# Allegro board SG2042_EVB_V2_0.brd (continued)
## Routing (per net, layer and track width the routed paths; a pad name or vN(x,y) marks a point on that pad's centre or on a via; arc(x,y) is an arc through that point) (continued)
DDR2_DQ16: length 79.2
  TOP w0.173: U1.AL8 v1(95.75,218.05)
  ART07 w0.135: J3.27 53.08,262.28 arc(53.62,262.38) 54.08,262.69 54.15,262.76 arc(54.55,263.03) 55.02,263.12 55.05,263.12 arc(55.52,263.03) 55.93,262.76 56,262.69 arc(56.46,262.38) 57,262.28 57.75,262.28 arc(58.32,262.39) 58.8,262.71 58.82,262.73 arc(59.3,263.05) 59.87,263.16 60.51,263.16 arc(61.08,263.05) 61.56,262.73 61.65,262.64 arc(62.05,262.37) 62.52,262.28 62.55,262.28 arc(63.02,262.37) 63.42,262.64 63.48,262.7 arc(63.92,262.99) 64.42,263.09 64.45,263.09 arc(64.96,262.99) 65.39,262.7 65.5,262.59 arc(65.84,262.36) 66.26,262.28 68.54,262.28 85.55,245.26 85.55,227 88.43,224.12 89.57,224.12 90,224.55 94.96,224.55 95.25,224.26 95.25,218.55 v1(95.75,218.05)
DDR2_DQ17: length 73.9
  TOP w0.173: U1.AL6 v1(93.75,218.05)
  ART07 w0.135: J3.172 60.57,261.43 arc(61.12,261.32) 61.58,261.01 61.65,260.94 arc(62.05,260.67) 62.52,260.58 62.55,260.58 arc(63.02,260.67) 63.42,260.94 63.55,261.06 arc(63.95,261.33) 64.42,261.42 64.45,261.42 arc(64.92,261.33) 65.32,261.06 65.43,260.95 arc(65.85,260.67) 66.34,260.58 69.35,260.58 69.98,259.94 69.98,259.75 69.46,259.23 69.46,259.04 69.76,258.74 69.95,258.74 70.47,259.27 70.66,259.27 70.95,258.97 70.95,258.78 70.43,258.26 70.43,258.07 70.73,257.77 70.92,257.77 71.44,258.3 71.63,258.3 84.92,245 84.92,226.74 88.11,223.55 93.95,223.55 94.25,223.25 U1.AL6 v1(93.75,218.05)
DDR2_DQ18: length 73.3
  TOP w0.173: U1.AK5 v1(92.75,219.05)
  ART05 w0.135: v1(92.75,219.05) 92.22,219.58 87.22,219.58 83.22,223.57 82.21,224.59 82.21,243.66 72.75,253.12 72.56,253.12 72.23,252.78 72.03,252.78 71.74,253.08 71.74,253.27 72.08,253.6 72.08,253.79 71.78,254.09 71.59,254.09 71.25,253.75 71.06,253.75 70.77,254.05 70.77,254.24 71.11,254.57 71.11,254.76 70.81,255.06 70.62,255.06 70.28,254.72 70.09,254.72 69.8,255.02 69.8,255.21 70.14,255.54 70.14,255.73 69.84,256.03 69.65,256.03 69.31,255.69 69.12,255.69 68.83,255.99 68.83,256.18 69.17,256.51 69.17,256.7 68.7,257.18 66.32,257.18 arc(65.85,257.27) 65.45,257.53 65.32,257.66 arc(64.92,257.93) 64.45,258.02 64.42,258.02 arc(63.95,257.93) 63.55,257.66 63.42,257.54 arc(63.02,257.27) 62.55,257.18 62.52,257.18 arc(62.05,257.27) 61.65,257.54 61.58,257.61 arc(61.12,257.92) 60.57,258.02 59.8,258.02 arc(59.26,257.92) 58.8,257.61 58.78,257.59 arc(58.32,257.28) 57.77,257.18 57,257.18 arc(56.46,257.07) 56,256.76 55.98,256.74 arc(55.52,256.43) 54.98,256.33 J3.34
DDR2_DQ19: length 72.8
  TOP w0.173: U1.AL5 v1(92.75,218.05)
  ART05 w0.135: v1(92.75,218.05) 92.26,218.54 87.37,218.54 81.58,224.33 81.58,243.4 77.92,247.06 77.73,247.06 77.34,246.67 77.15,246.67 76.86,246.97 76.86,247.16 77.24,247.55 77.24,247.74 76.95,248.03 76.76,248.03 76.37,247.64 76.18,247.64 75.89,247.94 75.89,248.13 76.27,248.52 76.27,248.71 75.98,249 75.79,249 75.4,248.61 75.21,248.61 74.92,248.91 74.92,249.1 75.3,249.49 75.3,249.68 75.01,249.97 74.82,249.97 74.43,249.58 74.24,249.58 73.94,249.88 73.94,250.07 74.33,250.46 74.33,250.65 74.04,250.94 73.85,250.94 73.46,250.56 73.27,250.56 72.97,250.85 72.97,251.04 73.36,251.43 73.36,251.62 73.07,251.91 72.88,251.91 72.49,251.53 72.3,251.53 68.35,255.47 66.3,255.47 arc(65.85,255.57) 65.46,255.82 65.32,255.96 arc(64.92,256.23) 64.45,256.32 64.42,256.32 arc(63.95,256.23) 63.55,255.96 63.42,255.84 arc(63.02,255.57) 62.55,255.47 62.52,255.47 arc(62.05,255.57) 61.65,255.84 61.58,255.91 arc(61.12,256.22) 60.57,256.32 59.8,256.32 arc(59.26,256.22) 58.8,255.91 58.78,255.89 arc(58.32,255.58) 57.77,255.47 J3.179
DDR2_DQ20: length 82
  TOP w0.173: U1.AG7 v1(95.75,222.05)
  ART05 w0.135: v1(95.75,222.05) U1.AG7 95.25,223.27 94.97,223.55 88.44,223.55 85.88,226.11 85.88,245.19 82.11,248.96 82.11,251.09 77.56,255.64 75.43,255.64 70.27,260.79 70.27,260.98 70.82,261.53 70.82,261.72 70.52,262.01 70.33,262.01 69.79,261.47 69.6,261.47 69.3,261.76 69.3,261.95 69.85,262.5 69.85,262.69 69.55,262.98 69.36,262.98 68.82,262.44 68.63,262.44 68.33,262.73 68.33,262.92 68.88,263.47 68.88,263.66 68.58,263.95 68.39,263.95 67.85,263.41 67.66,263.41 67.09,263.98 66.37,263.98 arc(65.85,264.08) 65.42,264.37 65.32,264.46 arc(64.92,264.73) 64.45,264.82 64.42,264.82 arc(63.95,264.73) 63.55,264.46 63.42,264.34 arc(63.02,264.07) 62.55,263.98 62.52,263.98 arc(62.05,264.07) 61.65,264.34 61.58,264.41 arc(61.12,264.72) 60.57,264.82 59.8,264.82 arc(59.26,264.72) 58.8,264.41 58.78,264.39 arc(58.32,264.08) 57.77,263.98 57,263.98 arc(56.46,264.08) 56,264.39 55.93,264.46 arc(55.52,264.73) 55.05,264.82 55.02,264.82 arc(54.55,264.73) 54.15,264.46 54.08,264.39 arc(53.62,264.08) 53.08,263.98 J3.25
DDR2_DQ21: length 82.4
  TOP w0.173: U1.AH8 v1(95.75,221.05)
  ART05 w0.135: v1(95.75,221.05) 95.25,221.55 94.55,221.55 94.25,221.86 94.25,222.26 93.96,222.55 88.55,222.55 85.25,225.85 85.25,244.93 80.6,249.57 80.6,249.76 81.48,250.64 81.48,250.83 81.18,251.13 80.99,251.13 80.11,250.25 79.92,250.25 79.63,250.54 79.63,250.73 80.51,251.61 80.51,251.8 80.21,252.1 80.02,252.1 79.14,251.22 78.95,251.22 78.66,251.51 78.66,251.7 79.54,252.58 79.54,252.77 79.24,253.07 79.05,253.07 78.17,252.19 77.98,252.19 77.69,252.48 77.69,252.68 78.57,253.55 78.57,253.74 78.27,254.04 78.08,254.04 77.2,253.16 77.01,253.16 76.72,253.45 76.72,253.65 77.59,254.52 77.59,254.71 77.3,255.01 77.11,255.01 76.23,254.13 76.04,254.13 67.9,262.28 66.38,262.28 arc(65.85,262.38) 65.41,262.68 65.32,262.76 arc(64.92,263.03) 64.45,263.12 64.42,263.12 arc(63.95,263.03) 63.55,262.76 63.42,262.64 arc(63.02,262.37) 62.55,262.28 62.52,262.28 arc(62.05,262.37) 61.65,262.64 61.58,262.71 arc(61.12,263.02) 60.57,263.13 J3.170
DDR2_DQ22: length 80.9
  TOP w0.173: U1.AH6 v1(93.75,222.05)
  ART07 w0.135: v1(93.75,222.05) 93.25,222.55 84.73,222.55 82.53,224.75 82.53,243.8 75.13,251.2 75.13,251.39 75.88,252.15 75.88,252.34 75.59,252.63 75.4,252.63 74.64,251.88 74.45,251.88 74.16,252.17 74.16,252.36 74.91,253.12 74.91,253.31 74.62,253.6 74.43,253.6 73.67,252.85 73.48,252.85 73.19,253.14 73.19,253.33 73.94,254.09 73.94,254.28 73.65,254.57 73.46,254.57 72.7,253.82 72.51,253.82 72.22,254.11 72.22,254.3 72.97,255.06 72.97,255.25 72.68,255.54 72.49,255.54 71.73,254.79 71.54,254.79 71.25,255.08 71.25,255.27 72,256.03 72,256.22 71.71,256.51 71.52,256.51 70.76,255.76 70.57,255.76 67.45,258.88 66.28,258.88 arc(65.85,258.96) 65.48,259.21 65.32,259.36 arc(64.92,259.63) 64.45,259.72 64.42,259.72 arc(63.95,259.63) 63.55,259.36 63.42,259.24 arc(63.02,258.97) 62.55,258.88 62.52,258.88 arc(62.05,258.97) 61.65,259.24 61.58,259.31 arc(61.12,259.62) 60.57,259.72 59.8,259.72 arc(59.26,259.62) 58.8,259.31 58.78,259.29 arc(58.32,258.98) 57.77,258.88 57,258.88 arc(56.46,258.77) 56,258.46 55.98,258.44 arc(55.52,258.13) 54.98,258.03 J3.32
DDR2_DQ23: length 79.5
  TOP w0.173: U1.AG5 v1(92.75,222.05)
  ART07 w0.135: v1(92.75,222.05) 92.25,221.55 84.84,221.55 81.9,224.49 81.9,243.54 73.26,252.18 73.07,252.18 72.15,251.26 71.96,251.26 71.66,251.55 71.66,251.74 72.58,252.66 72.58,252.85 72.29,253.15 72.1,253.15 71.18,252.23 70.99,252.23 70.69,252.52 70.69,252.71 71.61,253.63 71.61,253.82 71.32,254.12 71.13,254.12 70.21,253.2 70.02,253.2 69.72,253.49 69.72,253.68 70.64,254.6 70.64,254.79 70.35,255.09 70.16,255.09 69.24,254.17 69.05,254.17 68.75,254.46 68.75,254.65 69.67,255.57 69.67,255.76 69.38,256.06 69.19,256.06 68.27,255.14 68.08,255.14 67.78,255.43 67.78,255.62 68.7,256.55 68.7,256.74 68.26,257.18 66.24,257.18 arc(65.84,257.25) 65.51,257.48 65.32,257.66 arc(64.92,257.93) 64.45,258.02 64.42,258.02 arc(63.95,257.93) 63.55,257.66 63.42,257.54 arc(63.02,257.27) 62.55,257.18 62.52,257.18 arc(62.05,257.27) 61.65,257.54 61.58,257.61 arc(61.12,257.92) 60.57,258.02 59.8,258.02 arc(59.26,257.92) 58.8,257.61 58.78,257.59 arc(58.32,257.28) 57.77,257.18 J3.177
DDR2_DQ24: length 73.3
  TOP w0.173: U1.AT8 v1(95.75,213.05)
  ART07 w0.135: J3.38 54.89,252.93 arc(55.39,253.03) 55.82,253.31 55.84,253.33 arc(56.26,253.61) 56.77,253.71 58.64,253.71 arc(59.17,253.61) 59.63,253.3 59.68,253.25 arc(60.1,252.97) 60.59,252.88 60.62,252.88 arc(61.11,252.97) 61.53,253.25 61.59,253.32 arc(62.06,253.63) 62.61,253.74 62.71,253.74 arc(63.33,253.62) 63.86,253.26 64.02,253.1 arc(64.62,252.86) 65.21,253.1 65.48,253.37 arc(65.86,253.62) 66.31,253.71 67.09,253.71 80.35,240.45 80.35,223.77 85.57,218.55 92.96,218.55 93.25,218.26 93.25,217.93 93.61,217.57 93.94,217.57 94.25,217.26 94.25,216.93 94.65,216.53 94.98,216.53 95.25,216.26 95.25,213.55 v1(95.75,213.05)
DDR2_DQ25: length 69.7
  TOP w0.173: U1.AT6 v1(93.75,213.05)
  ART07 w0.135: v1(93.75,213.05) U1.AT6 94.25,216.16 93.86,216.55 93.53,216.55 93.25,216.83 93.25,217.26 92.97,217.55 85.63,217.55 79.62,223.56 79.62,239.92 68.81,250.72 68.62,250.72 68.34,250.44 68.15,250.44 67.86,250.74 67.86,250.93 68.14,251.21 68.14,251.4 67.57,251.96 66.18,251.96 arc(65.71,251.87) 65.31,251.6 65.25,251.54 arc(64.9,251.31) 64.49,251.23 64.46,251.23 arc(64.05,251.31) 63.71,251.54 63.38,251.86 arc(63.08,252.07) 62.71,252.14 62.69,252.14 arc(62.32,252.07) 62.01,251.86 61.89,251.74 arc(61.46,251.45) 60.96,251.35 60.48,251.35 arc(60.02,251.44) 59.63,251.7 59.62,251.72 arc(59.22,251.98) 58.75,252.08 J3.183
DDR2_DQ26: length 69.5
  TOP w0.173: U1.AR5 v1(92.75,214.05)
  ART05 w0.135: v1(92.75,214.05) 92.25,213.55 85.83,213.55 76.96,222.42 76.96,237.53 70.74,243.75 70.55,243.75 70.27,243.46 70.08,243.46 69.78,243.76 69.78,243.95 70.07,244.23 70.07,244.42 69.77,244.72 69.58,244.72 69.3,244.43 69.11,244.43 68.81,244.73 68.81,244.92 69.1,245.2 69.1,245.39 68.8,245.69 68.61,245.69 68.33,245.4 68.13,245.4 67.84,245.7 67.84,245.89 68.13,246.17 68.13,246.36 67.52,246.97 66.35,246.97 arc(65.85,247.07) 65.43,247.36 65.32,247.46 arc(64.92,247.73) 64.45,247.83 64.42,247.83 arc(63.95,247.73) 63.55,247.46 63.42,247.34 arc(63.02,247.07) 62.55,246.97 62.52,246.97 arc(62.05,247.07) 61.65,247.34 61.58,247.41 arc(61.12,247.72) 60.57,247.83 59.8,247.83 arc(59.26,247.72) 58.8,247.41 58.78,247.39 arc(58.32,247.08) 57.77,246.97 57,246.97 arc(56.46,247.08) 56,247.39 55.93,247.46 arc(55.52,247.73) 55.05,247.83 55.02,247.83 arc(54.55,247.73) 54.15,247.46 54.08,247.39 arc(53.62,247.08) 53.08,246.98 J3.45
DDR2_DQ27: length 69.1
  TOP w0.173: U1.AT5 v1(92.75,213.05)
  ART05 w0.135: v1(92.75,213.05) 92.25,212.55 85.94,212.55 84.99,213.5 76.33,222.15 76.33,222.68 76.33,222.68 76.33,237.27 75.71,237.89 75.52,237.89 74.95,237.33 74.76,237.33 74.47,237.62 74.47,237.81 75.03,238.38 75.03,238.57 74.74,238.86 74.55,238.86 73.98,238.3 73.79,238.3 73.5,238.59 73.5,238.78 74.06,239.35 74.06,239.54 73.77,239.83 73.58,239.83 73.01,239.27 72.82,239.27 72.53,239.56 72.53,239.75 73.09,240.32 73.09,240.51 72.8,240.8 72.61,240.8 72.04,240.24 71.85,240.24 71.56,240.53 71.56,240.72 72.12,241.29 72.12,241.48 71.83,241.77 71.63,241.77 71.07,241.21 70.88,241.21 70.59,241.5 70.59,241.69 71.15,242.26 71.15,242.45 70.77,242.83 69.81,242.83 67.37,245.28 66.29,245.28 arc(65.85,245.36) 65.48,245.61 65.32,245.76 arc(64.92,246.03) 64.45,246.12 64.42,246.12 arc(63.95,246.03) 63.55,245.76 63.42,245.64 arc(63.02,245.37) 62.55,245.28 62.52,245.28 arc(62.05,245.37) 61.65,245.64 61.58,245.71 arc(61.12,246.02) 60.57,246.12 J3.190
DDR2_DQ28: length 77.3
  TOP w0.173: U1.AM7 v1(94.75,217.05)
  ART05 w0.135: v1(94.75,217.05) 94.25,217.55 87.02,217.55 80.63,223.94 80.63,239.05 79.42,240.26 79.42,240.46 80.08,241.12 80.08,241.31 79.79,241.6 79.59,241.6 78.93,240.94 78.74,240.94 78.45,241.24 78.45,241.43 79.81,242.79 79.81,242.98 79.51,243.27 79.32,243.27 77.96,241.91 77.77,241.91 77.48,242.21 77.48,242.4 78.83,243.75 78.83,243.94 78.53,244.23 78.34,244.23 77.79,243.68 77.6,243.68 67.51,253.77 66.27,253.77 arc(65.85,253.86) 65.49,254.1 65.32,254.26 arc(64.92,254.53) 64.45,254.63 64.42,254.63 arc(63.95,254.53) 63.55,254.26 63.42,254.14 arc(63.02,253.87) 62.55,253.77 62.52,253.77 arc(62.05,253.87) 61.65,254.14 61.58,254.21 arc(61.12,254.52) 60.57,254.63 59.8,254.63 arc(59.26,254.52) 58.8,254.21 58.78,254.19 arc(58.32,253.88) 57.77,253.77 57,253.77 arc(56.46,253.88) 56,254.19 55.98,254.21 arc(55.52,254.52) 54.98,254.63 J3.36
DDR2_DQ29: length 78.1
  TOP w0.173: U1.AN8 v1(95.75,216.05)
  ART05 w0.135: v1(95.75,216.05) 95.25,216.55 87.13,216.55 80,223.68 80,238.79 76.46,242.34 76.46,242.53 77.07,243.14 77.07,243.33 76.77,243.62 76.58,243.62 75.97,243.01 75.78,243.01 75.49,243.31 75.49,243.5 76.1,244.11 76.1,244.3 75.8,244.59 75.61,244.59 75,243.98 74.81,243.98 74.51,244.28 74.51,244.47 75.13,245.08 75.13,245.27 74.83,245.56 74.64,245.56 74.03,244.95 73.84,244.95 73.54,245.25 73.54,245.44 74.16,246.05 74.16,246.24 73.86,246.53 73.67,246.53 73.06,245.92 72.87,245.92 72.57,246.22 72.57,246.41 73.19,247.02 73.19,247.21 72.89,247.5 72.7,247.5 72.09,246.89 71.9,246.89 71.6,247.19 71.6,247.38 72.22,247.99 72.22,248.18 68.32,252.07 66.29,252.07 arc(65.85,252.16) 65.47,252.41 65.32,252.56 arc(64.92,252.83) 64.45,252.93 64.42,252.93 arc(63.95,252.83) 63.55,252.56 63.42,252.44 arc(63.02,252.17) 62.55,252.07 62.52,252.07 arc(62.05,252.17) 61.65,252.44 61.58,252.51 arc(61.12,252.82) 60.57,252.93 59.8,252.93 arc(59.26,252.82) 58.8,252.51 58.78,252.49 arc(58.32,252.18) 57.77,252.07 57.27,252.07 arc(56.48,252.23) 55.81,252.68 55.52,252.96 arc(55.28,253.34) 55.19,253.77 J3.181
DDR2_DQ30: length 75.3
  TOP w0.173: U1.AM5 v1(92.75,217.05)
  ART07 w0.135: v1(92.75,217.05) 92.25,216.55 83.29,216.55 77.27,222.56 77.27,239.34 73.02,243.59 73.02,243.78 73.54,244.3 73.54,244.49 73.25,244.79 73.05,244.79 72.53,244.27 72.34,244.27 72.05,244.56 72.05,244.75 72.57,245.27 72.57,245.46 72.28,245.76 72.08,245.76 71.56,245.24 71.37,245.24 71.08,245.53 71.08,245.72 71.6,246.24 71.6,246.43 71.3,246.73 71.11,246.73 70.59,246.21 70.4,246.21 70.11,246.5 70.11,246.69 70.63,247.21 70.63,247.4 70.33,247.7 70.14,247.7 69.62,247.18 69.43,247.18 69.14,247.47 69.14,247.66 69.66,248.18 69.66,248.37 69.36,248.67 69.17,248.67 68.65,248.15 68.46,248.15 67.94,248.67 66.4,248.67 arc(65.86,248.78) 65.4,249.09 65.32,249.16 arc(64.92,249.43) 64.45,249.53 64.42,249.53 arc(63.95,249.43) 63.55,249.16 63.42,249.04 arc(63.02,248.77) 62.55,248.67 62.52,248.67 arc(62.05,248.77) 61.65,249.04 61.58,249.11 arc(61.12,249.42) 60.57,249.53 59.8,249.53 arc(59.26,249.42) 58.8,249.11 58.78,249.09 arc(58.32,248.78) 57.77,248.67 57,248.67 arc(56.46,248.78) 56,249.09 55.93,249.16 arc(55.52,249.43) 55.05,249.53 55.02,249.53 arc(54.55,249.43) 54.15,249.16 54.08,249.09 arc(53.62,248.78) 53.08,248.68 J3.43
DDR2_DQ31: length 75.9
  TOP w0.173: U1.AN6 v1(93.75,216.05)
  ART07 w0.135: J3.188 60.57,247.83 arc(61.12,247.72) 61.58,247.41 61.65,247.34 arc(62.05,247.07) 62.52,246.97 62.55,246.97 arc(63.02,247.07) 63.42,247.34 63.55,247.46 arc(63.95,247.73) 64.42,247.83 64.45,247.83 arc(64.92,247.73) 65.32,247.46 65.42,247.37 arc(65.9,247.05) 66.47,246.93 68.14,246.93 68.77,246.3 68.77,246.11 67.8,245.14 67.8,244.95 68.1,244.65 68.29,244.65 69.26,245.62 69.45,245.62 69.74,245.33 69.74,245.14 68.77,244.17 68.77,243.98 69.07,243.68 69.26,243.68 70.23,244.65 70.42,244.65 70.71,244.36 70.71,244.17 69.74,243.2 69.74,243.01 70.04,242.71 70.23,242.71 71.2,243.68 71.39,243.68 71.68,243.39 71.68,243.2 70.71,242.23 70.71,242.04 71.01,241.74 71.2,241.74 72.17,242.71 72.36,242.71 72.65,242.42 72.65,242.23 71.68,241.26 71.68,241.07 71.98,240.77 72.17,240.77 73.14,241.74 73.33,241.74 76.64,238.43 76.64,222.3 83.4,215.55 93.25,215.55 v1(93.75,216.05)
DDR2_DQ32: length 44.3
  TOP w0.173: U1.BH1 v1(88.75,201.05)
  ART14 w0.15: J3.97 53.11,197.67 arc(53.66,197.78) 54.11,198.09 54.2,198.18 arc(54.59,198.43) 55.04,198.52 55.07,198.52 arc(55.53,198.62) 55.91,198.87 56,198.96 arc(56.46,199.27) 57,199.38 57.78,199.38 arc(58.32,199.48) 58.78,199.79 58.8,199.81 arc(59.26,200.12) 59.8,200.22 60.58,200.22 arc(61.12,200.12) 61.58,199.81 61.65,199.74 arc(62.05,199.47) 62.52,199.38 62.55,199.38 arc(63.02,199.47) 63.42,199.74 63.55,199.86 arc(63.95,200.13) 64.42,200.22 64.45,200.22 arc(64.92,200.13) 65.32,199.86 65.4,199.79 arc(65.86,199.48) 66.4,199.38 67.06,199.38 67.21,199.53 67.21,200.57 67.36,200.72 67.79,200.72 67.94,200.57 67.94,198.96 68.09,198.81 68.51,198.81 68.66,198.96 68.66,200.59 68.81,200.74 88.44,200.74 v1(88.75,201.05)
DDR2_DQ33: length 43.5
  TOP w0.173: U1.BJ1 v1(88.75,200.05)
  ART14 w0.15: v1(88.75,200.05) 88.57,200.23 87.55,200.23 87.41,200.08 72.4,200.08 72.25,199.93 72.25,197.82 72.1,197.67 71.67,197.67 71.52,197.82 71.52,199.49 71.37,199.64 70.94,199.64 70.79,199.49 70.79,197.82 70.64,197.67 70.21,197.67 70.06,197.82 70.06,199.49 69.91,199.64 69.49,199.64 69.34,199.49 69.34,197.82 69.19,197.67 66.4,197.67 arc(65.86,197.78) 65.4,198.09 65.32,198.16 arc(64.92,198.43) 64.45,198.52 64.42,198.52 arc(63.95,198.43) 63.55,198.16 63.42,198.04 arc(63.02,197.77) 62.55,197.67 62.52,197.67 arc(62.05,197.77) 61.65,198.04 61.58,198.11 arc(61.12,198.42) 60.58,198.52 59.68,198.52 arc(58.58,198.31) 57.65,197.69 J3.242
DDR2_DQ34: length 49.2
  TOP w0.173: U1.BH2 v1(89.75,201.05)
  BOTTOM w0.173: v1(89.75,201.05) 90.25,200.55 90.97,200.55 91.25,200.27 91.25,199.83 91.53,199.55 91.97,199.55 92.25,199.27 92.25,197.84 91.96,197.55 86.9,197.55 86.39,197.04 86.15,197.04 85.9,197.29 85.66,197.29 85.35,196.99 85.35,196.74 85.6,196.49 85.6,196.25 85.02,195.67 74.48,195.67 71.38,192.57 66.4,192.57 arc(65.86,192.68) 65.4,192.99 65.32,193.07 arc(64.92,193.33) 64.45,193.43 64.42,193.43 arc(63.95,193.33) 63.55,193.07 63.42,192.93 arc(63.02,192.67) 62.55,192.57 62.52,192.57 arc(62.05,192.67) 61.65,192.93 61.57,193.01 arc(61.12,193.32) 60.58,193.43 59.8,193.43 arc(59.26,193.32) 58.8,193.01 58.78,192.99 arc(58.32,192.68) 57.78,192.57 57,192.57 arc(56.46,192.47) 56,192.16 55.98,192.14 arc(55.52,191.83) 54.98,191.73 J3.104
DDR2_DQ35: length 50.5
  TOP w0.173: U1.BH4 v1(91.75,201.05)
  BOTTOM w0.173: J3.249 57.78,190.88 arc(58.32,190.98) 58.78,191.29 58.8,191.31 arc(59.26,191.62) 59.8,191.73 60.58,191.73 arc(61.12,191.62) 61.57,191.31 61.65,191.23 arc(62.05,190.97) 62.52,190.87 62.55,190.87 arc(63.02,190.97) 63.42,191.23 63.55,191.37 arc(63.95,191.63) 64.42,191.73 64.45,191.73 arc(64.92,191.63) 65.32,191.37 65.4,191.29 arc(65.86,190.98) 66.4,190.87 67.41,190.87 67.59,191.05 67.59,191.62 67.76,191.8 68.19,191.8 68.36,191.62 68.36,191.05 68.54,190.87 68.97,190.87 69.14,191.05 69.14,191.62 69.31,191.8 69.75,191.8 69.92,191.62 69.92,191.05 70.09,190.87 70.78,190.87 74.8,194.89 85.35,194.89 87.22,196.77 88.29,196.77 88.51,196.55 92.96,196.55 93.25,196.84 93.25,200.27 92.97,200.55 92.25,200.55 v1(91.75,201.05)
DDR2_DQ36: length 54.4
  TOP w0.173: U1.BL4 v1(91.75,198.05)
  BOTTOM w0.173: v1(91.75,198.05) 91.25,198.55 90.53,198.55 90.25,198.83 90.25,199.26 89.96,199.55 74.02,199.55 73.85,199.38 73.85,198.11 73.68,197.94 73.25,197.94 73.07,198.11 73.07,199.38 72.9,199.55 72.47,199.55 72.3,199.38 72.3,198.11 72.12,197.94 71.69,197.94 71.52,198.11 71.52,199.38 71.35,199.55 70.91,199.55 70.74,199.38 70.74,198.11 70.57,197.94 70.14,197.94 69.96,198.11 69.96,199.38 69.79,199.55 69.36,199.55 69.19,199.38 69.19,198.11 69.01,197.94 68.58,197.94 68.41,198.11 68.41,199.2 68.24,199.38 66.39,199.38 arc(65.86,199.48) 65.4,199.79 65.32,199.87 arc(64.92,200.13) 64.45,200.22 64.42,200.22 arc(63.95,200.13) 63.55,199.87 63.42,199.73 arc(63.02,199.47) 62.55,199.38 62.52,199.38 arc(62.05,199.47) 61.65,199.73 61.57,199.81 arc(61.12,200.12) 60.58,200.22 59.8,200.22 arc(59.26,200.12) 58.8,199.81 58.78,199.79 arc(58.32,199.48) 57.78,199.38 57,199.38 arc(56.46,199.48) 56,199.79 55.92,199.87 arc(55.52,200.13) 55.06,200.22 55.02,200.22 arc(54.55,200.13) 54.15,199.87 54.08,199.79 arc(53.62,199.48) 53.08,199.38 J3.95
DDR2_DQ37: length 53
  TOP w0.173: U1.BL2 v1(89.75,198.05)
  BOTTOM w0.173: J3.240 56.79,198.52 60.58,198.52 arc(61.12,198.42) 61.57,198.11 61.65,198.03 arc(62.05,197.77) 62.52,197.67 62.55,197.67 arc(63.02,197.77) 63.42,198.03 63.55,198.17 arc(63.95,198.43) 64.42,198.52 64.45,198.52 arc(64.92,198.43) 65.32,198.17 65.4,198.09 arc(65.86,197.78) 66.4,197.67 67.09,197.67 67.83,196.94 74.84,196.94 75.02,197.11 75.02,198.6 75.19,198.77 75.62,198.77 75.79,198.6 75.79,197.11 75.97,196.94 76.4,196.94 76.57,197.11 76.57,198.6 76.74,198.77 77.18,198.77 77.35,198.6 77.35,197.11 77.52,196.94 77.95,196.94 78.13,197.11 78.13,198.6 78.3,198.77 78.73,198.77 78.9,198.6 78.9,197.11 79.08,196.94 79.51,196.94 79.68,197.11 79.68,198.6 79.85,198.77 80.28,198.77 80.46,198.6 80.46,197.11 80.63,196.94 81.06,196.94 81.23,197.11 81.23,198.6 81.41,198.77 81.84,198.77 82.01,198.6 82.01,197.11 82.18,196.94 82.62,196.94 82.79,197.11 82.79,198.6 82.96,198.77 88.3,198.77 88.52,198.55 89.25,198.55 v1(89.75,198.05)
DDR2_DQ38: length 48.6
  TOP w0.173: U1.BM2 v1(89.75,197.05)
  ART14 w0.15: J3.102 54.98,193.43 arc(55.52,193.32) 55.98,193.01 56,192.99 arc(56.46,192.68) 57,192.57 57.78,192.57 arc(58.32,192.68) 58.78,192.99 58.8,193.01 arc(59.26,193.32) 59.8,193.43 60.56,193.43 arc(61.12,193.31) 61.59,193 61.69,192.9 arc(62.07,192.64) 62.52,192.55 62.55,192.55 arc(63,192.64) 63.38,192.9 63.55,193.06 arc(63.95,193.33) 64.42,193.43 64.45,193.43 arc(64.92,193.33) 65.32,193.06 65.49,192.9 arc(65.85,192.66) 66.27,192.57 71.96,192.57 74.64,195.25 75.9,195.25 76.05,195.4 76.05,196.44 76.2,196.59 76.62,196.59 76.77,196.44 76.77,195.4 76.92,195.25 77.35,195.25 77.5,195.4 77.5,196.44 77.65,196.59 78.08,196.59 78.23,196.44 78.23,195.4 78.38,195.25 78.81,195.25 78.96,195.4 78.96,196.44 79.11,196.59 79.53,196.59 79.68,196.44 79.68,195.4 79.83,195.25 80.26,195.25 80.41,195.4 80.41,196.44 80.56,196.59 87.57,196.59 88.53,197.55 89.25,197.55 v1(89.75,197.05)
DDR2_DQ39: length 48.6
  TOP w0.173: U1.BM3 v1(90.75,197.05)
  ART14 w0.15: J3.247 55.19,192.32 arc(55.23,192.12) 55.35,191.94 55.81,191.48 arc(56.48,191.03) 57.26,190.87 57.78,190.87 arc(58.32,190.98) 58.78,191.29 58.8,191.31 arc(59.26,191.62) 59.8,191.73 60.57,191.73 arc(61.12,191.62) 61.58,191.31 61.65,191.24 arc(62.05,190.97) 62.52,190.87 62.55,190.87 arc(63.02,190.97) 63.42,191.24 63.55,191.36 arc(63.95,191.63) 64.42,191.73 64.45,191.73 arc(64.92,191.63) 65.32,191.36 65.48,191.2 arc(65.85,190.96) 66.28,190.87 67.1,190.87 68.14,191.91 72.24,191.91 74.83,194.51 81.13,194.51 81.28,194.66 81.28,195.76 81.43,195.91 81.86,195.91 82.01,195.76 82.01,194.66 82.16,194.51 82.59,194.51 82.74,194.66 82.74,195.76 82.89,195.91 83.31,195.91 83.46,195.76 83.46,194.66 83.61,194.51 84.04,194.51 84.19,194.66 84.19,195.76 84.34,195.91 84.77,195.91 84.92,195.76 84.92,194.66 85.07,194.51 85.5,194.51 85.65,194.66 85.65,195.76 85.8,195.91 87.73,195.91 88.37,196.55 90.25,196.55 v1(90.75,197.05)
DDR2_DQ40: length 50.8
  TOP w0.173: U1.BN2 v1(89.75,196.05)
  ART14 w0.15: v1(89.75,196.05) 89.25,195.55 88.29,195.55 86.14,193.4 80,193.4 79.85,193.25 79.85,192.1 79.7,191.95 79.27,191.95 79.12,192.1 79.12,193.02 78.97,193.17 78.54,193.17 78.39,193.02 78.39,192.1 78.24,191.95 77.81,191.95 77.66,192.1 77.66,193.02 77.51,193.17 77.09,193.17 76.94,193.02 76.94,192.1 76.79,191.95 76.36,191.95 76.21,192.1 76.21,193.02 76.06,193.17 75.63,193.17 75.48,193.02 75.48,192.1 75.33,191.95 74.55,191.95 72.63,190.02 71.2,190.02 70.36,189.17 69.83,189.17 69.68,189.32 69.68,189.79 69.53,189.94 69.1,189.94 68.95,189.79 68.95,189.32 68.8,189.17 68.38,189.17 68.23,189.32 68.23,189.79 68.08,189.94 67.65,189.94 67.5,189.79 67.5,189.32 67.35,189.17 66.4,189.17 arc(65.86,189.28) 65.4,189.59 65.32,189.66 arc(64.92,189.93) 64.45,190.03 64.42,190.03 arc(63.95,189.93) 63.55,189.66 63.42,189.54 arc(63.02,189.27) 62.55,189.17 62.52,189.17 arc(62.05,189.27) 61.65,189.54 61.58,189.61 arc(61.12,189.92) 60.57,190.03 59.8,190.03 arc(59.26,189.92) 58.8,189.61 58.78,189.59 arc(58.32,189.28) 57.78,189.17 57,189.17 arc(56.46,189.07) 56,188.76 55.98,188.74 arc(55.52,188.43) 54.98,188.32 J3.108
DDR2_DQ41: length 49.7
  TOP w0.173: U1.BP1 v1(88.75,195.05)
  ART14 w0.15: v1(88.75,195.05) 87.14,193.44 87.14,191.43 86.99,191.28 86.57,191.28 86.42,191.43 86.42,192.59 86.27,192.74 85.84,192.74 85.69,192.59 85.69,191.43 85.54,191.28 85.11,191.28 84.96,191.43 84.96,192.59 84.81,192.74 84.38,192.74 84.23,192.59 84.23,191.43 84.08,191.28 83.65,191.28 83.5,191.43 83.5,192.59 83.35,192.74 82.93,192.74 82.78,192.59 82.78,191.43 82.63,191.28 82.2,191.28 82.05,191.43 82.05,192.59 81.9,192.74 81.47,192.74 81.32,192.59 81.32,191.43 81.17,191.28 74.83,191.28 72.9,189.36 71.48,189.36 70.35,188.23 68.23,188.23 67.47,187.48 66.4,187.48 arc(65.86,187.58) 65.4,187.89 65.32,187.96 arc(64.92,188.23) 64.45,188.32 64.42,188.32 arc(63.95,188.23) 63.55,187.96 63.42,187.84 arc(63.02,187.57) 62.55,187.48 62.52,187.48 arc(62.05,187.57) 61.65,187.84 61.58,187.91 arc(61.12,188.22) 60.58,188.32 59.8,188.32 arc(59.26,188.22) 58.8,187.91 58.78,187.89 arc(58.32,187.58) 57.78,187.48 J3.253
DDR2_DQ42: length 53.2
  TOP w0.173: U1.BR1 v1(88.75,194.05)
  BOTTOM w0.173: v1(88.75,194.05) 82.51,187.81 74.87,187.81 72.18,185.12 70.9,185.12 70.73,184.94 70.73,183.89 70.55,183.72 70.12,183.72 69.95,183.89 69.95,184.94 69.78,185.12 69.35,185.12 69.17,184.94 69.17,182.55 69,182.38 68.57,182.38 68.4,182.55 68.4,184.94 68.22,185.12 67.79,185.12 67.62,184.94 67.62,182.55 67.45,182.38 66.3,182.38 arc(65.85,182.47) 65.46,182.72 65.32,182.87 arc(64.92,183.13) 64.45,183.22 64.42,183.22 arc(63.95,183.13) 63.55,182.87 63.42,182.73 arc(63.02,182.47) 62.55,182.38 62.52,182.38 arc(62.05,182.47) 61.65,182.73 61.57,182.81 arc(61.12,183.12) 60.58,183.22 59.8,183.22 arc(59.26,183.12) 58.8,182.81 58.77,182.79 arc(58.32,182.48) 57.78,182.38 57,182.38 arc(56.46,182.48) 56,182.79 55.92,182.87 arc(55.52,183.13) 55.06,183.22 55.02,183.22 arc(54.55,183.13) 54.15,182.87 54.08,182.79 arc(53.62,182.48) 53.08,182.38 J3.115